# Altium PCB DM3370.PcbDoc (part 1 of 9) (continued)
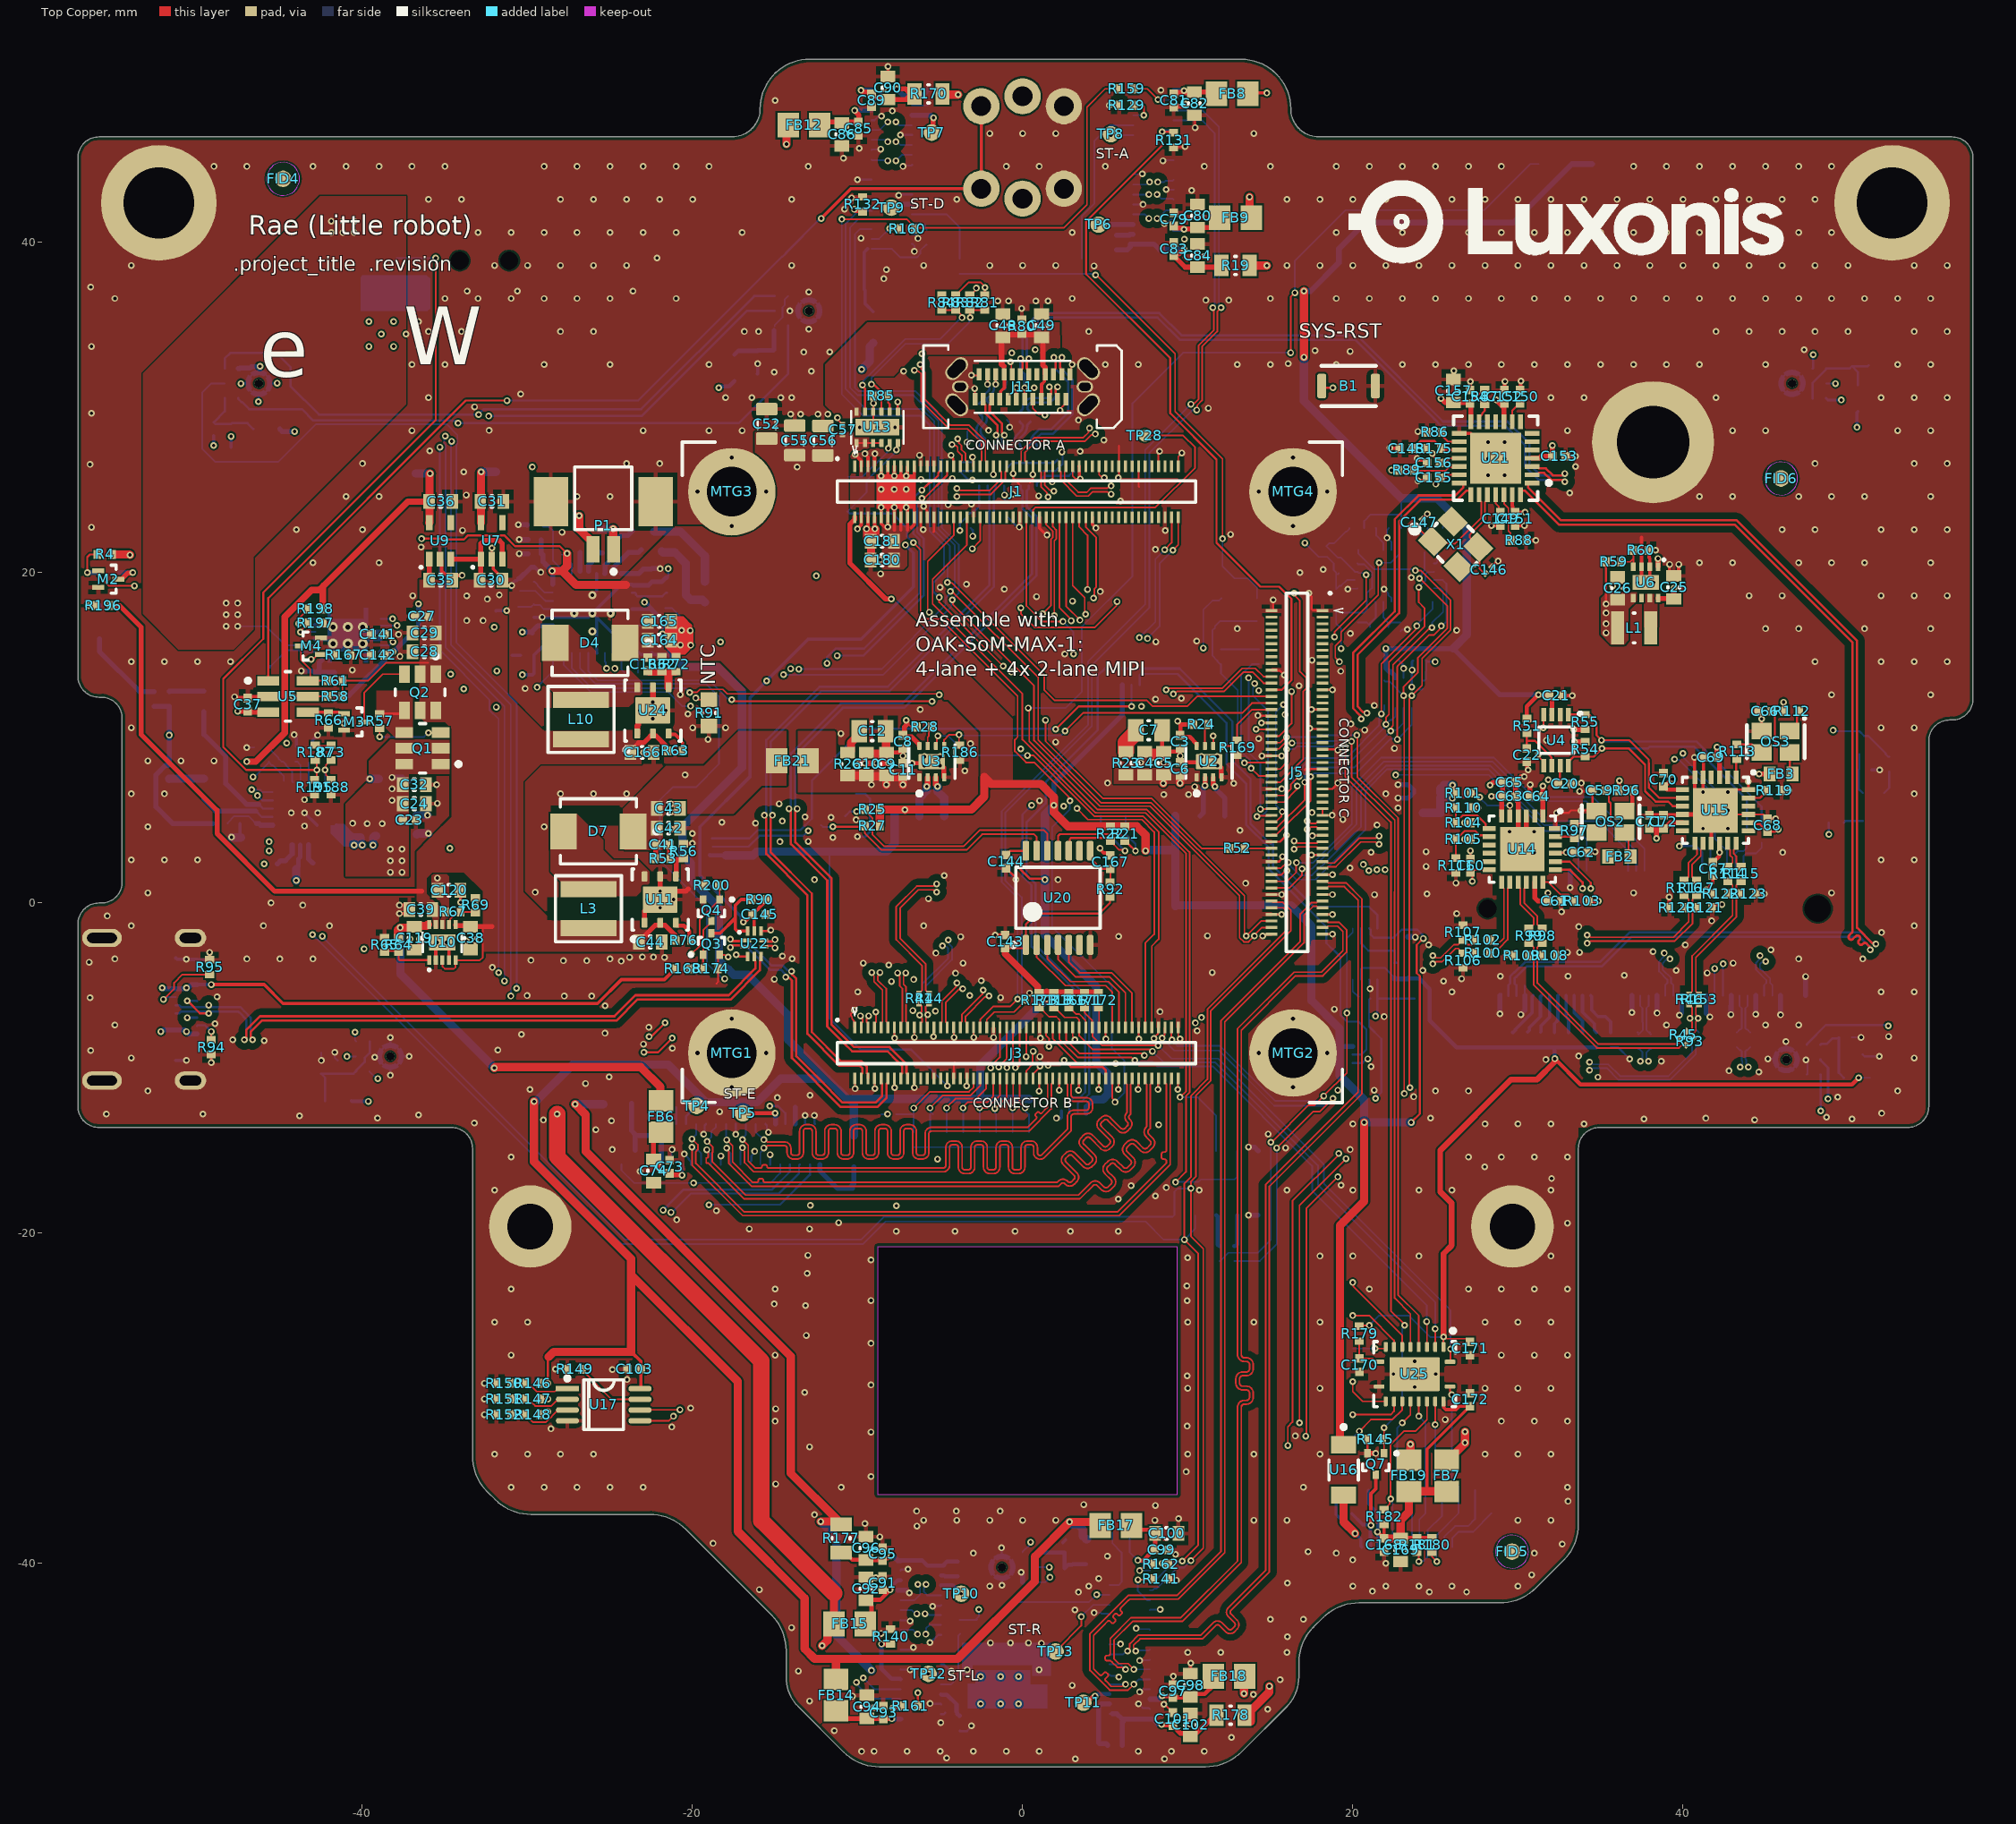
[diagram p0: Top Copper view]
## Classes and differential pairs (continued)
differential pair MIPI_TX1_D1: +MIPI_TX1_D1_P -MIPI_TX1_D1_N
differential pair MIPI_TX1_D0: +MIPI_TX1_D0_P -MIPI_TX1_D0_N
differential pair MIPI_TX0_D1: +MIPI_TX0_D1_P -MIPI_TX0_D1_N
differential pair MIPI_TX0_D0: +MIPI_TX0_D0_P -MIPI_TX0_D0_N
differential pair MIPI_TX0_C: +MIPI_TX0_C_P -MIPI_TX0_C_N
differential pair MIPI_RX5_D1: +MIPI_RX5_D1_P -MIPI_RX5_D1_N
differential pair MIPI_RX5_D0: +MIPI_RX5_D0_P -MIPI_RX5_D0_N
differential pair MIPI_RX5_C: +MIPI_RX5_C_P -MIPI_RX5_C_N
differential pair MIPI_RX4_D1: +MIPI_RX4_D1_P -MIPI_RX4_D1_N
differential pair MIPI_RX4_D0: +MIPI_RX4_D0_P -MIPI_RX4_D0_N
differential pair MIPI_RX4_C: +MIPI_RX4_C_P -MIPI_RX4_C_N
differential pair MIPI_RX3_D1: +MIPI_RX3_D1_P -MIPI_RX3_D1_N
differential pair MIPI_RX3_D0: +MIPI_RX3_D0_P -MIPI_RX3_D0_N
differential pair MIPI_RX3_C: +MIPI_RX3_C_P -MIPI_RX3_C_N
differential pair MIPI_RX2_D1: +MIPI_RX2_D1_P -MIPI_RX2_D1_N
differential pair MIPI_RX2_D0: +MIPI_RX2_D0_P -MIPI_RX2_D0_N
differential pair MIPI_RX2_C: +MIPI_RX2_C_P -MIPI_RX2_C_N
differential pair MIPI_RX1_D1: +MIPI_RX1_D1_P -MIPI_RX1_D1_N
differential pair MIPI_RX1_D0: +MIPI_RX1_D0_P -MIPI_RX1_D0_N
differential pair MIPI_RX1_C: +MIPI_RX1_C_P -MIPI_RX1_C_N
differential pair MIPI_RX0_D1: +MIPI_RX0_D1_P -MIPI_RX0_D1_N
differential pair MIPI_RX0_D0: +MIPI_RX0_D0_P -MIPI_RX0_D0_N
differential pair MIPI_RX0_C: +MIPI_RX0_C_P -MIPI_RX0_C_N
differential pair RXC: +RXC_P -RXC_N
differential pair USB_TX: +USB_TX_P -USB_TX_N
differential pair USB_RX: +USB_RX_P -USB_RX_N
differential pair USB_D: +USB_D_P -USB_D_N
differential pair TXC: +TXC_P -TXC_N
differential pair TXC1: +TXC1_P -TXC1_N
differential pair TXB: +TXB_P -TXB_N
differential pair TXB1: +TXB1_P -TXB1_N
differential pair RXB: +RXB_P -RXB_N

## Components (designator, comment, footprint, x,y, rotation, side; value= is the part's Value field where it differs from the comment)
B1 "TL3780AF240QG" TL3780AF240QG-Footprint-1 19.75,31.3 r0 top
B2 "D6C90F2LFS" CON_B_BW2099_SoM_DF40HC-3.0-100DS-0.4V_minpad 0,45.75 r270 bottom locked
B3 "TL3780AF240QG" TL3780AF240QG-Footprint-1 32.888,44.75 r180 bottom
C1 "0.1uF 0402" CAPC0402(1005)70_L 24.055,14.667 r0 bottom
C2 "0.1uF 0402" CAPC0402(1005)70_L 22.405,14.667 r180 bottom
C3 "0.1uF 0402" CAPC0402(1005)70_L 9.55,9.75 r90 top
C4 "22uF 0603" CAPC0603(1608)100_L 7.4,8.45 r270 top
C5 "22uF 0603" CAPC0603(1608)100_L 8.55,8.45 r270 top
C6 "0.1uF 0402" CAPC0402(1005)70_L 9.55,8.1 r270 top
C7 "22nF 0805" CAPC0805(2012)145_L#1 7.65,10.45 r180 top
C8 "0.1uF 0402" CAPC0402(1005)70_L -7.25,9.75 r90 top
C9 "22uF 0603" CAPC0603(1608)100_L -8.25,8.401 r270 top
C10 "22uF 0603" CAPC0603(1608)100_L -9.45,8.4 r270 top
C11 "0.1uF 0402" CAPC0402(1005)70_L -7.25,8.05 r270 top
C12 "22nF 0805" CAPC0805(2012)145_L#1 -9.1,10.4 r180 top
C13 "1uF 0402" CAPC0402(1005)70_L 29.2,3.65 r180 bottom
C14 "1uF 0402" CAPC0402(1005)70_L 46.375,3.7 r0 bottom
C15 "47UF 0805" CAPC0805(2012)145_L#1 24.55,0.95 r0 bottom
C16 "47UF 0805" CAPC0805(2012)145_L#1 24.575,2.65 r0 bottom
C17 "1uF 0402" CAPC0402(1005)70_L 23.85,5.45 r0 bottom
C18 "47UF 0805" CAPC0805(2012)145_L#1 24.5,6.75 r0 bottom
C19 "0.1uF 0402" CAPC0402(1005)70_L 51.05,8.05 r180 bottom
C20 "0.1uF 0402" CAPC0402(1005)70_L 32.85,7.2 r180 top
C21 "0.1uF 0402" CAPC0402(1005)70_L 32.3,12.55 r180 top
C22 "1uF 0402" CAPC0402(1005)70_L 30.55,8.95 r90 top
C23 "0.1uF 0402" CAPC0402(1005)70_L -37.15,5 r0 top
C24 "22uF 0603" CAPC0603(1608)100_L -36.85,6 r180 top
C25 "10uF 0603" CAPC0603(1608)100_L 39.45,19.1 r270 top
C26 "22uF 0603" CAPC0603(1608)100_L 36.05,19.05 r270 top
C27 "0.1uF 0402" CAPC0402(1005)70_L -36.4,17.35 r180 top
C28 "22uF 0603" CAPC0603(1608)100_L -36.25,15.2 r0 top
C29 "22uF 0603" CAPC0603(1608)100_L -36.25,16.35 r0 top
C30 "10uF 0603" CAPC0603(1608)100_L -32.2,19.55 r180 top
C31 "10uF 0603" CAPC0603(1608)100_L -32.15,24.3 r180 top
C32 "22uF 0603" CAPC0603(1608)100_L -36.85,7.15 r180 top
C33 "22uF 0603" CAPC0603(1608)100_L -41.7,13.25 r270 bottom
C34 "22uF 0603" CAPC0603(1608)100_L -42.9,13.25 r270 bottom
C35 "10uF 0603" CAPC0603(1608)100_L -35.25,19.55 r180 top
C36 "10uF 0603" CAPC0603(1608)100_L -35.25,24.3 r180 top
C37 "0.1uF 0402" CAPC0402(1005)70_L -46.95,12 r90 top
C38 "10uF 0603" CAPC0603(1608)100_L -33.45,-2.15 r90 top
C39 "10uF 0603" CAPC0603(1608)100_L -36.45,-0.4 r0 top
C40 "10uF 0603" CAPC0603(1608)100_L -37.4,5.3 r180 bottom
C41 "GRM1555C1H391JA01J" CAPC0402(1005)60_L -21.8,3.525 r0 top
C42 "22uF 0603" CAPC0603(1608)100_L -21.45,4.525 r180 top
C43 "10uF 0603" CAPC0603(1608)100_L -21.45,5.725 r180 top
C44 "C0603C223K5RACTU" CAPC0603(1608)100_L -22.55,-2.375 r180 top
C45 "10uF 0402" CAPC0402(1005)70_L -0.95,23.8 r90 bottom
C46 "0.1uF 0201" CAPC0201(0603)33_L -3.8,26.43 r270 bottom
C47 "0.1uF 0201" CAPC0201(0603)33_L 2.1,26.55 r270 bottom
C48 "10uF 0603" CAPC0603(1608)100_L -1.2,34.95 r270 top
C49 "10uF 0603" CAPC0603(1608)100_L 1.15,34.95 r270 top
C50 "0.1uF 0201" CAPC0201(0603)33_L -2.625,29.93 r270 bottom
C51 "0.1uF 0201" CAPC0201(0603)33_L -1.975,29.93 r270 bottom
C52 "C0805C476M9PACTU" CAPC0805(2012)145_L#2 -15.5,29 r270 top value=47µF
C53 "0.1uF 0201" CAPC0201(0603)33_L 0.475,29.43 r270 bottom
C54 "0.1uF 0201" CAPC0201(0603)33_L -0.175,29.43 r270 bottom
C55 "C0805C476M9PACTU" CAPC0805(2012)145_L#2 -13.8,28 r270 top value=47µF
C56 "C0805C476M9PACTU" CAPC0805(2012)145_L#2 -12.1,27.99 r270 top value=47µF
C57 "0.1uF 0201" CAPC0201(0603)33_L -10.9,28.65 r270 top
C58 "10uF 0603" CAPC0603(1608)100_L -37.4,4.15 r180 bottom
C59 "0.1uF 0402" CAPC0402(1005)70_L 34.925,6.8 r180 top
C60 "0.1uF 0402" CAPC0402(1005)70_L 27.125,2.25 r90 top
C61 "0.1uF 0402" CAPC0402(1005)70_L 32.225,0.1 r0 top
C62 "0.1uF 0402" CAPC0402(1005)70_L 33.825,3.05 r0 top
C63 "0.1uF 0402" CAPC0402(1005)70_L 29.475,6.45 r0 top
C64 "0.1uF 0402" CAPC0402(1005)70_L 31.125,6.45 r180 top
C65 "10uF 0402" CAPC0402(1005)70_L 29.475,7.3 r180 top
C66 "0.1uF 0402" CAPC0402(1005)70_L 44.975,11.6 r180 top
C67 "0.1uF 0402" CAPC0402(1005)70_L 41.825,2.05 r270 top
C68 "0.1uF 0402" CAPC0402(1005)70_L 45.125,4.7 r90 top
C69 "0.1uF 0402" CAPC0402(1005)70_L 41.675,8.8 r180 top
C70 "0.1uF 0402" CAPC0402(1005)70_L 38.825,7.45 r90 top
C71 "0.1uF 0402" CAPC0402(1005)70_L 37.975,4.9 r90 top
C72 "10uF 0402" CAPC0402(1005)70_L 38.825,4.9 r270 top
C73 "0.1uF 0402" CAPC0402(1005)70_L -21.382,-15.988 r270 top
C74 "10uF 0603" CAPC0603(1608)100_L -22.35,-16.25 r90 top
C75 "0.1uF 0402" CAPC0402(1005)70_L -11.25,-17.65 r90 bottom
C76 "10uF 0603" CAPC0603(1608)100_L -10.25,-18.05 r90 bottom
C77 "0.1uF 0402" CAPC0402(1005)70_L -23.45,-15.4 r90 bottom
C78 "10uF 0603" CAPC0603(1608)100_L -24.214,-13.981 r0 bottom
C79 "0.1uF 0402" CAPC0402(1005)70_L 9.15,41.393 r270 top
C80 "10uF 0603" CAPC0603(1608)100_L 10.6,41.6 r270 top
C81 "0.1uF 0402" CAPC0402(1005)70_L 9.15,48.593 r90 top
C82 "10uF 0603" CAPC0603(1608)100_L 10.4,48.4 r90 top
C83 "0.1uF 0402" CAPC0402(1005)70_L 9.15,39.593 r270 top
C84 "10uF 0603" CAPC0603(1608)100_L 10.6,39.2 r270 top
C85 "0.1uF 0402" CAPC0402(1005)70_L -9.95,46.887 r90 top
C86 "10uF 0603" CAPC0603(1608)100_L -10.95,46.537 r90 top
C87 "0.1uF 0402" CAPC0402(1005)70_L -9.2,38.1 r180 bottom
C88 "10uF 0603" CAPC0603(1608)100_L -8.85,37.1 r180 bottom
C89 "0.1uF 0402" CAPC0402(1005)70_L -9.15,48.607 r90 top
C90 "10uF 0603" CAPC0603(1608)100_L -8.15,49.35 r270 top
C91 "0.1uF 0402" CAPC0402(1005)70_L -8.488,-41.2 r270 top
C92 "10uF 0603" CAPC0603(1608)100_L -9.488,-41.55 r270 top
C93 "0.1uF 0402" CAPC0402(1005)70_L -8.438,-49.05 r270 top
C94 "10uF 0603" CAPC0603(1608)100_L -9.438,-48.7 r270 top
C95 "0.1uF 0402" CAPC0402(1005)70_L -8.488,-39.45 r270 top
C96 "10uF 0603" CAPC0603(1608)100_L -9.488,-39.1 r270 top
C97 "0.1uF 0402" CAPC0402(1005)70_L 9.112,-47.75 r270 top
C98 "10uF 0603" CAPC0603(1608)100_L 10.162,-47.4 r270 top
C99 "0.1uF 0402" CAPC0402(1005)70_L 8.4,-39.2 r180 top
C100 "10uF 0603" CAPC0603(1608)100_L 8.734,-38.2 r180 top
C101 "0.1uF 0402" CAPC0402(1005)70_L 9.112,-49.45 r270 top
C102 "10uF 0603" CAPC0603(1608)100_L 10.162,-49.8 r270 top
C103 "0.1uF 0402" CAPC0402(1005)70_L -23.525,-28.25 r0 top
C104 "10uF 0603" CAPC0603(1608)100_L 50.2,-9.2 r180 bottom
C105 "0.1uF 0402" CAPC0402(1005)70_L 49.85,-8.15 r180 bottom
C106 "10uF 0603" CAPC0603(1608)100_L -42.5,-9.65 r270 bottom
C107 "0.1uF 0402" CAPC0402(1005)70_L -41.5,-9.95 r270 bottom
C108 "0.1uF 0402" CAPC0402(1005)70_L -49,28.7 r90 bottom
C109 "10uF 0603" CAPC0603(1608)100_L -47.95,28.3 r90 bottom
C110 "10uF 0603" CAPC0603(1608)100_L 51.25,33.25 r270 bottom
C111 "0.1uF 0402" CAPC0402(1005)70_L 50.25,32.9 r270 bottom
C112 "0.1uF 0402" CAPC0402(1005)70_L 2.6,-38.987 r270 bottom
C113 "10uF 0603" CAPC0603(1608)100_L 2.55,-41.013 r90 bottom
C114 "10uF 0603" CAPC0603(1608)100_L -16.062,32.734 r90 bottom
C115 "0.1uF 0402" CAPC0402(1005)70_L -15.062,33.084 r90 bottom
C116 "10uF 0603" CAPC0603(1608)100_L -39.15,4.75 r90 bottom
C117 "10uF 0603" CAPC0603(1608)100_L -40.3,4.75 r90 bottom
C118 "GRM155R71E473KA88D" CAPC0402(1005)70_L -43,2 r270 bottom
C119 "10uF 0603" CAPC0603(1608)100_L -36.85,-2.15 r90 top
C120 "10uF 0603" CAPC0603(1608)100_L -34.75,0.75 r180 top
C121 "4.7uF 0603" CAPC0603(1608)100_L -25.671,21.973 r90 bottom
C122 "4.7uF 0603" CAPC0603(1608)100_L -26.839,21.973 r90 bottom
C123 "4.7uF 0603" CAPC0603(1608)100_L -23.007,22.487 r0 bottom
C124 "4.7uF 0603" CAPC0603(1608)100_L -22.557,21.287 r0 bottom
C125 "2.2uF 0402" CAPC0402(1005)70_L -23.707,13.937 r0 bottom
C126 "2.2uF 0402" CAPC0402(1005)70_L -22.057,16.737 r180 bottom
C127 "10uF 0603" CAPC0603(1608)100_L -31.207,17.687 r0 bottom
C128 "0.1uF 0402" CAPC0402(1005)70_L -29.607,17.687 r90 bottom
C129 "2.2uF 0402" CAPC0402(1005)70_L -29.557,22.887 r0 bottom
C130 "10uF 0603" CAPC0603(1608)100_L -30.407,16.337 r0 bottom
C131 "0.1uF 0402" CAPC0402(1005)70_L -22.057,17.837 r180 bottom
C132 "10uF 0603" CAPC0603(1608)100_L -30.357,13.837 r0 bottom
C133 "0.1uF 0402" CAPC0402(1005)70_L -30.007,14.987 r0 bottom
C134 "0.1uF 0402" CAPC0402(1005)70_L -27.907,21.487 r270 bottom
C135 "0.1uF 0402" CAPC0402(1005)70_L -22.457,19.837 r90 bottom
C136 "0.1uF 0402" CAPC0402(1005)70_L -29.557,21.987 r0 bottom
C137 "0.1uF 0402" CAPC0402(1005)70_L -29.557,21.137 r0 bottom
C138 "1uF 0402" CAPC0402(1005)70_L -22.457,15.437 r270 bottom
C139 "GRM155R61E105KA12D" CAPC0402(1005)70_L -46.95,3.95 r180 bottom
C140 "10uF 0603" CAPC0603(1608)100_L -39.7,7.5 r180 bottom
C141 "GRM155R61A474KE15D" CAPC0402(1005)70_L -39.05,16.25 r180 top
C142 "GRM155R61E105KA12D" CAPC0402(1005)70_L -39.05,15 r180 top
C143 "0.1uF 0402" CAPC0402(1005)70_L -1.05,-2.35 r270 top
C144 "0.1uF 0402" CAPC0402(1005)70_L -1,2.5 r90 top
C145 "0.1uF 0402" CAPC0402(1005)70_L -15.95,-0.7 r0 top
C146 "18pF 0201" CAPC0201(0603)33_L 28.25,20.15 r45 top
C147 "18pF 0201" CAPC0201(0603)33_L 24.022,23.037 r45 top
C148 "0.1uF 0402" CAPC0402(1005)70_L 23.25,27.521 r0 top
C149 "0.1uF 0402" CAPC0402(1005)70_L 28.95,23.25 r90 top
C150 "0.1uF 0402" CAPC0402(1005)70_L 30.15,30.65 r270 top
C151 "0.1uF 0402" CAPC0402(1005)70_L 29.85,23.25 r90 top
C152 "0.1uF 0402" CAPC0402(1005)70_L 29.2,30.65 r270 top
C153 "0.1uF 0402" CAPC0402(1005)70_L 32.5,27.05 r180 top
C154 "0.1uF 0402" CAPC0402(1005)70_L 27.1,30.65 r270 top
C155 "0.1uF 0402" CAPC0402(1005)70_L 24.9,25.75 r0 top
C156 "0.1uF 0402" CAPC0402(1005)70_L 24.9,26.65 r0 top
C157 "10uF 0603" CAPC0603(1608)100_L 26.1,31 r270 top
C158 "0.1uF 0402" CAPC0402(1005)70_L 22.95,-2.05 r180 bottom
C159 "0.1uF 0402" CAPC0402(1005)70_L 23.4,-4.15 r270 bottom
C160 "1uF 0402" CAPC0402(1005)70_L 22.95,-2.9 r180 bottom
C161 "GRM188R61C475KAAJD" CAPC0603(1608)100_L -44,1.35 r90 bottom value=4.7µF
C162 "10uF 0603" CAPC0603(1608)100_L -45.15,1.65 r270 bottom
C163 "GRM1555C1H391JA01J" CAPC0402(1005)60_L -22.7,14.45 r270 top
C164 "22uF 0603" CAPC0603(1608)100_L -22,15.9 r180 top
C165 "10uF 0603" CAPC0603(1608)100_L -22,17.05 r180 top
C166 "C0603C223K5RACTU" CAPC0603(1608)100_L -23.05,9.1 r180 top
C167 "1uF 0402" CAPC0402(1005)70_L 5.309,2.46 r270 top
C168 "0.1uF 0402" CAPC0402(1005)70_L 21.9,-38.9 r90 top
C169 "10uF 0603" CAPC0603(1608)100_L 22.9,-39.2 r90 top
C170 "1uF 0402" CAPC0402(1005)70_L 20.4,-28 r90 top
C171 "0.1uF 0402" CAPC0402(1005)70_L 27.1,-27 r90 top
C172 "0.1uF 0402" CAPC0402(1005)70_L 27.1,-30.1 r270 top
C173 "10uF 0603" CAPC0603(1608)100_L 18.3,20 r0 bottom
C174 "0.1uF 0402" CAPC0402(1005)70_L 18.6,19 r0 bottom
C175 "10uF 0603" CAPC0603(1608)100_L 18.3,17.9 r0 bottom
C176 "0.1uF 0402" CAPC0402(1005)70_L 18.6,16.9 r0 bottom
C177 "0.1uF 0402" CAPC0402(1005)70_L 21.8,22.7 r0 bottom
C178 "18pF 0201" CAPC0201(0603)33_L 22.9,16.7 r90 bottom
C179 "18pF 0201" CAPC0201(0603)33_L 20.3,16.7 r90 bottom
C180 "22uF 0603" CAPC0603(1608)100_L -8.5,20.75 r0 top
C181 "10uF 0603" CAPC0603(1608)100_L -8.5,21.9 r0 top
D1 "SML-D12M8WT86" SML_D1xx8W -55.3,16 r180 bottom
D2 "CMP-008-000009-2" SML_D1xx8W -55.3,20 r180 bottom
D3 "SML-D12M8WT86" SML_D1xx8W -49.6,6.9 r90 bottom
D4 "STPS3150U" FP-SMB-MFG -26.2,15.75 r180 top
D6 "SML-D12D8WT86" SML_D1xx8W -49.6,12.2 r90 bottom
D7 "STPS3150U" FP-SMB-MFG -25.7,4.325 r180 top
D8 "SML-D12M8WT86" SML_D1xx8W -55.3,18 r180 bottom
FB1 "80R/100MHz" BK1608HS800-T_L 25.325,4.75 r90 bottom
FB2 "80R/100MHz" BK1608HS800-T_L 36.15,2.8 r180 top
FB3 "80R/100MHz" BK1608HS800-T_L 45.95,7.8 r180 top
FB5 "600R/100MHz" 2508056017Y2 -10.225,-15.05 r270 bottom
FB6 "600R/100MHz" 2508056017Y2 -21.9,-12.95 r270 top
FB7 "600R/100MHz" 2508056017Y2 25.7,-34.7 r270 top
FB8 "600R/100MHz" 2508056017Y2 12.7,49 r180 top
FB9 "600R/100MHz" 2508056017Y2 12.9,41.5 r180 top
FB11 "600R/100MHz" 2508056017Y2 -9.05,34.85 r90 bottom
FB12 "600R/100MHz" 2508056017Y2 -13.25,47.1 r0 top
FB14 "600R/100MHz" 2508056017Y2 -11.3,-48 r270 top
FB15 "600R/100MHz" 2508056017Y2 -10.472,-43.678 r0 top
FB17 "600R/100MHz" 2508056017Y2 5.66,-37.716 r0 top
FB18 "600R/100MHz" 2508056017Y2 12.5,-46.85 r180 top
FB19 "600R/100MHz" 2508056017Y2 23.4,-34.7 r270 top
FB20 "80R/100MHz" BK1608HS800-T_L 50.7,9.7 r270 bottom
FB21 "600R/100MHz" 2508056017Y2 -13.95,8.6 r0 top
FID1 "FIDUCIAL_ROUND_1MM" FIDUCIAL_ROUND_1MM 44.7,25.65 r90 bottom
FID2 "FIDUCIAL_ROUND_1MM" FIDUCIAL_ROUND_1MM 30,-35.35 r90 bottom
FID3 "FIDUCIAL_ROUND_1MM" FIDUCIAL_ROUND_1MM -56,27.9 r90 bottom
FID4 "FIDUCIAL_ROUND_1MM" FIDUCIAL_ROUND_1MM -44.8,43.85 r90 top
FID5 "FIDUCIAL_ROUND_1MM" FIDUCIAL_ROUND_1MM 29.65,-39.3 r90 top
FID6 "FIDUCIAL_ROUND_1MM" FIDUCIAL_ROUND_1MM 45.95,25.7 r90 top
J1 "DF40HC(3.0)-100DS-0.4V_-SoM-MAX_A" SOM_MAX_CONN_A_DF40HC-3.0-100DS-0.4V_minpad -0.618,7.903 r0 top locked
J2 "1-292173-3" 1-292173-3 -34.1,38.9 r90 bottom
J3 "DF40HC(3.0)-100DS-0.4V_-SoM-MAX_B" SOM_MAX_CONN_B_DF40HC-3.0-100DS-0.4V_minpad -0.368,-9.101 r270 top locked
J4 "20021121-00010T1LF" 20021121-00010T1LF 11.731,-16.973 r0 bottom
J5 "DF40HC(3.0)-100DS-0.4V_-SoM-MAX_C" SOM_MAX_CONN_C_DF40HC-3.0-100DS-0.4V_minpad 16.632,7.899 r180 top locked
J6 "FFC2B28-06-G" FFC2B28-06-G 3.6,-14 r180 bottom
J7 "S6B-ZR-SM4A-TF(LF)(SN)" FP-S6B-ZR-SM4A-TF_LF_SN-MFG 8.5,2.5 r0 bottom
J8 "S6B-ZR-SM4A-TF(LF)(SN)" FP-S6B-ZR-SM4A-TF_LF_SN-MFG -8.5,2.5 r0 bottom
J9 "MDT275E03001" MDT275E 38.175,-0.35 r0 bottom locked
J10 "B2B-PH-SM4-TBT(LF)(SN)" FP-B2B-PH-SM4-TBT_LF_SN-MFG 1.3,-46.7 r90 bottom locked
J11 "USB3.1 TYPEC 24P SMD Vertical" CX80B1-24P 0,31.255 r0 top
J12 "105450-0101" 105450-0101 -50.65,-6.45 r90 bottom
J13 "FH26W-33S-0.3SHW(60)" FH26W-33S-0.3SHW(60) -17.082,-27.125 r0 bottom locked
J14 "FH26W-33S-0.3SHW(60)" FH26W-33S-0.3SHW(60) 20.425,44.393 r90 bottom locked
J15 "FH26W-33S-0.3SHW(60)" FH26W-33S-0.3SHW(60) -20.425,44.407 r270 bottom locked
J16 "FH26W-33S-0.3SHW(60)" FH26W-33S-0.3SHW(60) -18.662,-44.635 r270 bottom
J17 "FH26W-33S-0.3SHW(60)" FH26W-33S-0.3SHW(60) 18.987,-44.635 r90 bottom
J18 "FFC2B28-14-G" GCT_FFC2B28-14-G 23.287,-40.272 r180 bottom
J19 "FFC2B28-06-G" FFC2B28-06-G -20,3.15 r90 bottom
J20 "FFC2B28-06-G" FFC2B28-06-G 6.35,14.45 r0 bottom
J21 "FFC2B28-06-G" FFC2B28-06-G 21.25,-8.95 r270 bottom
L1 "1uH, 3.2A, 20%" DFE252012P-1R0M=P2 37.05,16.65 r180 top
L2 "XFL4020-102MEC" COIL-XFL4020_V -40.4,0.7 r0 bottom
L3 "XFL4030-472MEC" XFL4030-472MEC-MFG -26.3,-0.36 r90 top
L4 "120R/100MHz" BLM18PG121SN1D_N 50.55,-10.6 r180 bottom
L5 "120R/100MHz" BLM18PG121SN1D_N -41.45,-12 r180 bottom
L6 "120R/100MHz" BLM18PG121SN1D_N -45.8,28.7 r180 bottom
L7 "120R/100MHz" BLM18PG121SN1D_N 50.6,30.55 r90 bottom
L8 "120R/100MHz" BLM18PG121SN1D_N 3.9,-39.35 r270 bottom
L9 "120R/100MHz" BLM18PG121SN1D_N -17.45,32.4 r90 bottom
L10 "XFL4030-472MEC" XFL4030-472MEC-MFG -26.75,11.1 r90 top
M2 "RE1C002UNTCL" RE1C002UNTCL -55.39,19.6 r270 top
M3 "RE1C002UNTCL" RE1C002UNTCL -40.5,10.95 r270 top
M4 "RE1C002UNTCL" RE1C002UNTCL -43.11,15.55 r90 top
MH1 "9774010360R" 9774010360R 38.2,27.9 r0 bottom locked
MIC1 "ICS-43434" ICS-43434#1 46.975,-9.5 r90 bottom locked
MIC2 "ICS-43434" ICS-43434#2 -39.01,-9.3 r270 bottom
MIC3 "ICS-43434" ICS-43434#2 -46.975,31.459 r270 bottom locked
MIC4 "ICS-43434" ICS-43434#2 47.325,31.459 r90 bottom locked
MIC5 "ICS-43434" ICS-43434#2 -0.54,-40.25 r90 bottom locked
MIC6 "ICS-43434" ICS-43434#2 -13.66,35.85 r270 bottom
MTG1 "M2, 3MM steel spacer on M2.5 mounting pad" 9774030243R -17.615,-9.101 r90 top locked
MTG2 "M2, 3MM steel spacer on M2.5 mounting pad" 9774030243R 16.385,-9.101 r90 top locked
MTG3 "M2, 3MM steel spacer on M2.5 mounting pad" 9774030243R -17.615,24.899 r90 top locked
MTG4 "M2, 3MM steel spacer on M2.5 mounting pad" 9774030243R 16.385,24.899 r90 top locked
OS1 "ECS-327MVATX-2-CN-TR3" 2520_OSC(FJ2400002) 51.55,5.8 r270 bottom
OS2 "25MHz OSC" 2520_OSC(FJ2400002) 35.625,4.9 r180 top
OS3 "25MHz OSC" 2520_OSC(FJ2400002) 45.625,9.75 r180 top
P1 "53261-0271" MOLX-53261-0271_V -25.4,22.85 r180 top
P2 "53261-0271" MOLX-53261-0271_V -17.8,18.825 r270 bottom
Q1 "IRLTS2242TRPBF" TSOP-6-MFG -36.35,9.35 r180 top
Q2 "IRLTS2242TRPBF" TSOP-6-MFG -36.5,12.75 r270 top
Q3 "DMG1012T-7" DMG1012T-7 -18.85,-2.5 r90 top
Q4 "DMG1012T-7" DMG1012T-7 -18.85,-0.45 r270 top
Q7 "DMG1012T-7" DMG1012T-7 21.4,-34 r270 top
R1 "0R 0402" RESC0402(1005)_L 11.925,-21.25 r270 bottom
R2 "0R 0402" RESC0402(1005)_L 12.825,-21.25 r270 bottom
R3 "1K 0402" RESC0402(1005)_L -52.6,12.35 r270 bottom
R4 "1K 0402" RESC0402(1005)_L -55.6,21.1 r0 top
R5 "10K 0402" RESC0402(1005)_L -6.6,-12.35 r270 bottom
R6 "10K 0402" RESC0402(1005)_L -3.6,-12.35 r270 bottom
R7 "10K 0402" RESC0402(1005)_L -2.6,-12.35 r270 bottom
R8 "10K 0402" RESC0402(1005)_L -1.6,-12.35 r270 bottom
R9 "10K 0402" RESC0402(1005)_L -0.6,-12.35 r270 bottom
R10 "10K 0402" RESC0402(1005)_L 0.4,-12.35 r270 bottom
R11 "0R 0402" RESC0402(1005)_L -8.1,-12.8 r0 bottom
R12 "10K 0402" RESC0402(1005)_L -6.6,-14.35 r270 bottom
R13 "10K 0402" RESC0402(1005)_L -3.6,-14.35 r270 bottom
R14 "10K 0402" RESC0402(1005)_L -2.6,-14.35 r270 bottom
R15 "10K 0402" RESC0402(1005)_L -1.6,-14.35 r270 bottom
R16 "10K 0402" RESC0402(1005)_L -0.6,-14.35 r270 bottom
R17 "10K 0402" RESC0402(1005)_L 0.4,-14.35 r270 bottom
R18 "0R 0402" RESC0402(1005)_L 12.025,14.9 r270 bottom
R19 "CRCW08050000Z0EA" RESC0805(2012)_L 12.9,38.6 r180 top value=0
R20 "0R 0402" RESC0402(1005)_L 14.325,14.9 r270 bottom
R21 "1K 0402" RESC0402(1005)_L 6.196,4.181 r90 top
R22 "1K 0402" RESC0402(1005)_L 5.319,4.181 r90 top
R23 "22R 0603" RESC0603(1608)_L 6.25,8.45 r270 top
R24 "100K 0402" RESC0402(1005)_L 10.8,10.8 r0 top
R25 "1K 0402" RESC0402(1005)_L -9.1,5.65 r0 top
R26 "22R 0603" RESC0603(1608)_L -10.6,8.4 r270 top
R27 "1K 0402" RESC0402(1005)_L -9.1,4.65 r0 top
R28 "100K 0402" RESC0402(1005)_L -5.95,10.65 r0 top
R29 "10K 0402" RESC0402(1005)_L 29.675,-8.3 r90 bottom
R30 "10K 0402" RESC0402(1005)_L 30.525,-8.3 r90 bottom
R31 "10K 0402" RESC0402(1005)_L 31.375,-8.3 r90 bottom
R32 "10K 0402" RESC0402(1005)_L 32.225,-8.3 r90 bottom
R33 "10K 0402" RESC0402(1005)_L 33.075,-8.3 r90 bottom
R34 "10K 0402" RESC0402(1005)_L 33.925,-8.3 r90 bottom
R35 "10K 0402" RESC0402(1005)_L 34.775,-8.3 r270 bottom
R36 "10K 0402" RESC0402(1005)_L 35.625,-8.3 r270 bottom
R37 "0R 0402" RESC0402(1005)_L 37.297,-8.401 r90 bottom
R38 "0R 0402" RESC0402(1005)_L 38.075,-8.4 r90 bottom
R39 "10K 0402" RESC0402(1005)_L 52.5,8.4 r90 bottom
R40 "0R 0201" RESC0201(0603)_L -6.275,-5.8 r270 bottom
R41 "0R 0201" RESC0201(0603)_L -6.275,-5.8 r270 top
R42 "0R 0201" RESC0201(0603)_L -5.675,-5.8 r270 bottom
R43 "22R 0402" RESC0402(1005)_L 49.3,4.85 r180 bottom
R44 "0R 0201" RESC0201(0603)_L -5.675,-5.8 r270 top
R45 "0R 0201" RESC0201(0603)_L 40,-8 r45 top
R46 "0R 0201" RESC0201(0603)_L 40.375,-5.85 r270 top
R47 "0R 0402" RESC0402(1005)_L 43.875,4.1 r90 bottom
R48 "0R 0402" RESC0402(1005)_L 43.275,-8.3 r90 bottom
R49 "0R 0402" RESC0402(1005)_L 44.775,4.1 r90 bottom
R50 "0R 0402" RESC0402(1005)_L 44.075,-8.3 r90 bottom
R51 "1K 0402" RESC0402(1005)_L 30.55,10.713 r90 top
R52 "10K 0402" RESC0402(1005)_L 13,3.3 r0 top
R53 "CRCW040295K3FKED" RESC0402(1005)_L -21.8,2.675 r180 top
R54 "2.2K 0402" RESC0402(1005)_L 34.075,9.3 r90 top
R55 "2.2K 0402" RESC0402(1005)_L 34.075,10.95 r270 top
R56 "RC0402FR-0712K4L" RESC0402(1005)_L -20.55,3.125 r270 top
R57 "100K 0402" RESC0402(1005)_L -38.95,11 r270 top
R58 "100K 0402" RESC0402(1005)_L -41.65,12.5 r0 top
R59 "249k 0402" RESC0402(1005)_L 35.8,20.65 r180 top
R60 "39.2k 0402" RESC0402(1005)_L 37.45,21.35 r180 top
R61 "100K 0402" RESC0402(1005)_L -41.65,13.45 r0 top
R62 "RC0402FR-0730KL" RESC0402(1005)_L -21.85,14.45 r90 top value=30k
R63 "100K 0402" RESC0402(1005)_L -21.05,9.2 r180 top
R64 "10K 0402" RESC0402(1005)_L -37.8,-2.55 r90 top
R65 "RC0402FR-0712K1L" RESC0402(1005)_L -38.65,-2.55 r270 top
R66 "100K 0402" RESC0402(1005)_L -42.05,11.05 r90 top
R67 "RC0402FR-0712KL" RESC0402(1005)_L -34.5,-0.55 r0 top value=12k
R68 "RC0402FR-071KL" RESC0402(1005)_L -51.7,7.95 r270 bottom
R69 "10K 0402" RESC0402(1005)_L -33.15,-0.15 r90 top
R70 "RC0402FR-1310KL" RESC0402(1005)_L -46.1,8.55 r0 bottom value=10k
R71 "ERJ-6BWFR010V" RESC0805(2012)_M -45.65,15.4 r90 bottom value=10m
R72 "RC0402FR-1310KL" RESC0402(1005)_L -21,14.45 r270 top value=10k
R73 "CRCW04022K15FKED" RESC0402(1005)_L -41.9,9.1 r270 top value=2.15k
R74 "RC0402FR-071KL" RESC0402(1005)_L -51.7,12.35 r90 bottom
R75 "0R 0201" RESC0201(0603)_L 40.375,-8.15 r90 bottom
R76 "100K 0402" RESC0402(1005)_L -20.55,-2.275 r180 top
R77 "0R 0201" RESC0201(0603)_L 40.975,-8.15 r90 bottom
R78 "10K 0402" RESC0402(1005)_L -3.15,23.15 r270 bottom
R79 "10K 0402" RESC0402(1005)_L 2.95,26.55 r90 bottom
R80 "10K 0402" RESC0402(1005)_L -0.05,34.9 r270 top
R81 "CRCW04020000Z0ED" RESC0402(1005)_L -2.3,36.35 r270 top value=0
R82 "CRCW04020000Z0ED" RESC0402(1005)_L -3.2,36.35 r270 top value=0
R83 "CRCW04020000Z0ED" RESC0402(1005)_L -4.05,36.35 r270 top value=0
R84 "CRCW04020000Z0ED" RESC0402(1005)_L -4.9,36.35 r270 top value=0
R85 "RC0402FR-07100KL" RESC0402(1005)_L -8.6,30.7 r0 top
R86 "RC0402FR-0756KL" RESC0402(1005)_L 24.95,28.5 r180 top
R87 "RC0402FR-0756KL" RESC0402(1005)_L 28,30.65 r90 top
R88 "RC0402FR-0712KL" RESC0402(1005)_L 30.05,21.95 r0 top value=12k
R89 "RC0402FR-0756KL" RESC0402(1005)_L 23.25,26.2 r180 top
R90 "47K 0402" RESC0402(1005)_L -15.95,0.2 r180 top
R91 "NTCG163JF103FT1" RESC0603(1608)_N -19,11.5 r90 top value=10k
R92 "1K 0402" RESC0402(1005)_L 5.3,0.8 r270 top
R93 "0R 0201" RESC0201(0603)_L 40.4,-8.4 r45 top
R94 "RC0402FR-075K11L" RESC0402(1005)_L -49.15,-8.75 r90 top
R95 "RC0402FR-075K11L" RESC0402(1005)_L -49.25,-3.9 r270 top
R96 "10K 0402" RESC0402(1005)_L 36.575,6.8 r180 top
R97 "RC0402FR-0722RL" RESC0402(1005)_L 33.425,4.35 r270 top
R98 "RC0402FR-0722RL" RESC0402(1005)_L 31.475,-2 r270 top
R99 "RC0402FR-0722RL" RESC0402(1005)_L 30.675,-2 r270 top
R100 "RC0402FR-0722RL" RESC0402(1005)_L 27.875,-3.05 r180 top
R101 "10K 0402" RESC0402(1005)_L 26.7,6.65 r0 top
R102 "RC0402FR-0722RL" RESC0402(1005)_L 27.875,-2.25 r180 top
R103 "10K 0402" RESC0402(1005)_L 33.875,0.1 r180 top
R104 "10K 0402" RESC0402(1005)_L 26.7,4.85 r180 top
R105 "10K 0402" RESC0402(1005)_L 26.7,3.85 r180 top
R106 "49.9R 0402" RESC0402(1005)_L 26.675,-3.5 r270 top
R107 "49.9R 0402" RESC0402(1005)_L 26.675,-1.8 r270 top
R108 "49.9R 0402" RESC0402(1005)_L 31.925,-3.2 r180 top
R109 "49.9R 0402" RESC0402(1005)_L 30.225,-3.2 r0 top
R110 "10K 0402" RESC0402(1005)_L 26.7,5.75 r0 top
R111 "10K 0402" RESC0402(1005)_L 26.25,2.25 r270 top
R112 "10K 0402" RESC0402(1005)_L 46.6,11.6 r180 top
R113 "RC0402FR-0722RL" RESC0402(1005)_L 43.275,9.15 r270 top
R114 "RC0402FR-0722RL" RESC0402(1005)_L 42.725,1.75 r270 top
R115 "RC0402FR-0722RL" RESC0402(1005)_L 43.525,1.75 r270 top
R116 "RC0402FR-0722RL" RESC0402(1005)_L 40.075,0.9 r270 top
R117 "RC0402FR-0722RL" RESC0402(1005)_L 40.825,0.9 r270 top
R118 "10K 0402" RESC0402(1005)_L 1.9,-5.9 r270 top
R119 "10K 0402" RESC0402(1005)_L 45.525,6.8 r0 top
R120 "49.9R 0402" RESC0402(1005)_L 39.625,-0.3 r180 top
R121 "49.9R 0402" RESC0402(1005)_L 41.325,-0.3 r180 top
R122 "49.9R 0402" RESC0402(1005)_L 42.275,0.55 r0 top
R123 "49.9R 0402" RESC0402(1005)_L 43.975,0.55 r180 top
R124 "10K 0402" RESC0402(1005)_L -21.4,-12.45 r0 bottom
R125 "10K 0402" RESC0402(1005)_L -13.325,-12.4 r0 bottom
R126 "10K 0402" RESC0402(1005)_L -24.3,-15.4 r90 bottom
R127 "10K 0402" RESC0402(1005)_L 5.7,40 r90 bottom
R128 "10K 0402" RESC0402(1005)_L -5.7,48.8 r270 bottom
R129 "10K 0402" RESC0402(1005)_L 6.3,48.3 r180 top
R130 "10K 0402" RESC0402(1005)_L -5.8,40.3 r270 bottom
R131 "10K 0402" RESC0402(1005)_L 9.15,46.193 r270 top
R132 "10K 0402" RESC0402(1005)_L -9.7,42.3 r90 top
R133 "0R 0402" RESC0402(1005)_L 3.6,38.55 r90 bottom
R134 "0R 0402" RESC0402(1005)_L -3.8,38.55 r90 bottom
R135 "22R 0603" RESC0603(1608)_L 14.2,17.75 r270 bottom
R136 "10K 0402" RESC0402(1005)_L -4,-40.35 r270 bottom
R137 "10K 0402" RESC0402(1005)_L 5.6,-51.05 r180 bottom
R138 "10K 0402" RESC0402(1005)_L -3.8,-49.689 r270 bottom
R139 "10K 0402" RESC0402(1005)_L 5.9,-38.15 r0 bottom
R140 "10K 0402" RESC0402(1005)_L -8,-44.45 r90 top
R141 "10K 0402" RESC0402(1005)_L 8.387,-40.95 r0 top
R142 "0R 0402" RESC0402(1005)_L -3.8,-43.85 r270 bottom
R143 "0R 0402" RESC0402(1005)_L -2.75,-43.85 r270 bottom
R144 "22R 0603" RESC0603(1608)_L 12.05,17.75 r270 bottom
R145 "100K 0402" RESC0402(1005)_L 21.35,-32.5 r0 top
R146 "10K 0402" RESC0402(1005)_L -29.675,-29.1 r0 top
R147 "10K 0402" RESC0402(1005)_L -29.675,-30.05 r0 top
R148 "10K 0402" RESC0402(1005)_L -29.675,-31 r0 top
R149 "1K 0402" RESC0402(1005)_L -27.125,-28.25 r0 top
R150 "10K 0402" RESC0402(1005)_L -31.425,-29.1 r0 top
R151 "10K 0402" RESC0402(1005)_L -31.425,-30.05 r0 top
R152 "10K 0402" RESC0402(1005)_L -31.425,-31 r0 top
R153 "0R 0201" RESC0201(0603)_L 40.975,-5.85 r270 top
R154 "10K 0402" RESC0402(1005)_L -5.6,-12.35 r270 bottom
R155 "10K 0402" RESC0402(1005)_L -4.6,-12.35 r270 bottom
R156 "10K 0402" RESC0402(1005)_L -5.6,-14.35 r270 bottom
R157 "10K 0402" RESC0402(1005)_L -4.6,-14.35 r270 bottom
R158 "0R 0402" RESC0402(1005)_L 20.6,-5.8 r0 bottom
R159 "0R 0402" RESC0402(1005)_L 6.3,49.3 r0 top
R160 "0R 0402" RESC0402(1005)_L -6.982,40.818 r180 top
R161 "0R 0402" RESC0402(1005)_L -6.8,-48.65 r180 top
R162 "0R 0402" RESC0402(1005)_L 8.387,-40.05 r180 top
R163 "0R 0402" RESC0402(1005)_L -29.607,19.887 r270 bottom
R164 "0R 0402" RESC0402(1005)_L -30.507,19.187 r270 bottom
R165 "10K 0402" RESC0402(1005)_L -21.557,19.237 r270 bottom
R166 "10K 0402" RESC0402(1005)_L 2.8,-5.9 r270 top
R167 "100K 0402" RESC0402(1005)_L -41.15,15 r180 top
R168 "10K 0402" RESC0402(1005)_L -20.6,-4 r0 top
R169 "10K 0402" RESC0402(1005)_L 13,9.4 r270 top
R170 "CRCW08050000Z0EA" RESC0805(2012)_L -5.7,49 r180 top value=0
R171 "10K 0402" RESC0402(1005)_L 3.75,-5.9 r270 top
R172 "10K 0402" RESC0402(1005)_L 4.6,-5.9 r270 top
R173 "10K 0402" RESC0402(1005)_L 1,-5.9 r270 top
R174 "100K 0402" RESC0402(1005)_L -18.9,-4 r180 top
R175 "100K 0402" RESC0402(1005)_L 24.897,27.521 r180 top
R176 "1K 0402" RESC0402(1005)_L 22.527,-4.15 r270 bottom
R177 "CRCW08050000Z0EA" RESC0805(2012)_L -11,-38.5 r270 top value=0
R178 "CRCW08050000Z0EA" RESC0805(2012)_L 12.6,-49.2 r180 top value=0
R179 "10K 0402" RESC0402(1005)_L 20.4,-26.1 r90 top
R180 "10K 0402" RESC0402(1005)_L 24.8,-38.9 r90 top
R181 "10K 0402" RESC0402(1005)_L 23.9,-38.9 r90 top
R182 "10K 0402" RESC0402(1005)_L 21.9,-37.2 r270 top
R183 "10K 0402" RESC0402(1005)_L 20.25,22.7 r0 bottom
R184 "2.2K 0402" RESC0402(1005)_L 23.4,22.7 r0 bottom
R185 "2.2K 0402" RESC0402(1005)_L 25,22.7 r180 bottom
R186 "10K 0402" RESC0402(1005)_L -3.8,9.1 r270 top
R187 "CRCW04022K26FKED" RESC0402(1005)_L -42.85,9.1 r90 top value=2.26k
R188 "CRCW04027K68FKTD" RESC0402(1005)_L -41.9,7 r90 top value=7.68k
R189 "RC0402FR-1310KL" RESC0402(1005)_L -44.85,9 r270 bottom value=10k
R190 "RC0402FR-07220RL" RESC0402(1005)_L -43.15,9 r270 bottom
R191 "RC0402FR-1310KL" RESC0402(1005)_L -46.1,9.4 r0 bottom value=10k
R192 "RC0402FR-1310KL" RESC0402(1005)_L -44,9 r270 bottom value=10k
R193 "RC0402FR-1310KL" RESC0402(1005)_L -48.6,4.8 r0 bottom value=10k
R194 "RC0402FR-1310KL" RESC0402(1005)_L -46.95,4.8 r0 bottom value=10k
R195 "CR0402-FX-8201GLF" RESC0402(1005)_L -42.9,7 r90 top value=8.2k
R196 "1K 0402" RESC0402(1005)_L -55.7,18 r0 top
R197 "RC0402FR-1310KL" RESC0402(1005)_L -42.85,16.95 r180 top value=10k
R198 "RC0402FR-1310KL" RESC0402(1005)_L -42.85,17.8 r180 top value=10k
R199 "CRCW08050000Z0EA" RESC0805(2012)_L -24.55,-12.15 r0 bottom value=0
R200 "100K 0402" RESC0402(1005)_L -18.85,1.05 r0 top
TP1 "TP100_200_NS" TP100_200_NS 35.35,16.9 r90 bottom
TP2 "TP100_200_NS" TP100_200_NS -31.9,26.1 r270 bottom
TP3 "TP100_200_NS" TP100_200_NS -36.75,26 r180 bottom
TP4 "TP100_200_NS" TP100_200_NS -19.752,-12.302 r0 top
TP5 "TP100_200_NS" TP100_200_NS -16.95,-12.75 r90 top
TP6 "TP100_200_NS" TP100_200_NS 4.604,41.075 r0 top
TP7 "TP100_200_NS" TP100_200_NS -5.5,46.65 r270 top
TP8 "TP100_200_NS" TP100_200_NS 5.35,46.55 r0 top
TP9 "TP100_200_NS" TP100_200_NS -7.95,42.1 r0 top
TP10 "TP100_200_NS" TP100_200_NS -3.713,-41.85 r90 top
TP11 "TP100_200_NS" TP100_200_NS 3.687,-48.45 r90 top
TP12 "TP100_200_NS" TP100_200_NS -5.7,-46.7 r90 top
TP13 "TP100_200_NS" TP100_200_NS 2,-45.35 r90 top
TP14 "TEST_POINT" TP075_150_NS 28.412,-36.972 r270 bottom
TP15 "TEST_POINT" TP075_150_NS 27.412,-35.572 r270 bottom
TP16 "TEST_POINT" TP075_150_NS 26.412,-36.972 r270 bottom
TP17 "TEST_POINT" TP075_150_NS 25.412,-35.572 r270 bottom
TP18 "TEST_POINT" TP075_150_NS 24.412,-36.972 r270 bottom
TP19 "TEST_POINT" TP075_150_NS 22.413,-36.972 r270 bottom
TP20 "TEST_POINT" TP075_150_NS 23.412,-35.572 r270 bottom
TP21 "TEST_POINT" TP075_150_NS 19.95,-37 r270 bottom
TP22 "TEST_POINT" TP075_150_NS 19,-35.6 r270 bottom
TP23 "TEST_POINT" TP075_150_NS 18.05,-37 r270 bottom
TP24 "TEST_POINT" TP075_150_NS 20.95,-35.6 r270 bottom
TP25 "TEST_POINT" TP100_200_NS -10.6,25.8 r270 bottom
TP26 "TEST_POINT" TP075_150_NS 23.75,-5.8 r270 bottom
TP27 "TEST_POINT" TP100_200_NS -10.6,23.7 r270 bottom
TP28 "TEST_POINT" TP075_150_NS 7.4,28.3 r270 top
TP29 "TP100_200_NS" TP100_200_NS -20.45,7.75 r270 bottom
TP30 "TP100_200_NS" TP100_200_NS -37.15,7.37 r270 bottom
TP31 "TP100_200_NS" TP100_200_NS -32.197,19.3 r270 bottom
TP32 "TP100_200_NS" TP100_200_NS -13.65,26.35 r270 bottom
TP33 "TP100_200_NS" TP100_200_NS -32,-10 r270 bottom
TP34 "TP100_200_NS" TP100_200_NS -28.2,-12.8 r270 bottom
TP35 "TP100_200_NS" TP100_200_NS -47.55,11.6 r270 bottom
TP36 "TEST_POINT" TP075_150_NS 20,-23 r0 bottom
TP37 "TEST_POINT" TP075_150_NS 20,-33 r0 bottom
TP38 "TEST_POINT" TP075_150_NS 20,-25 r0 bottom
TP39 "TEST_POINT" TP075_150_NS 20,-31 r0 bottom